# Altium PCB RK_NVR_DEMO1_RK3588_LP4XD200P232SD8_V21_20211228_final_lint.PcbDoc (part 7 of 29)
Units mm, origin at the board's own origin, x right, y up, seen from the top; angles counter-clockwise.
Board outline 170.08 x 169.98 mm, 8 copper layers (TOP, L2-GND1, L3-POWER1, L4-S1, L5-GND2, L6-S2, L7-GND3, BOTTOM), stack 2.118 mm thick; 1650 components, 1119 nets, 6165 pads, 15417 vias.
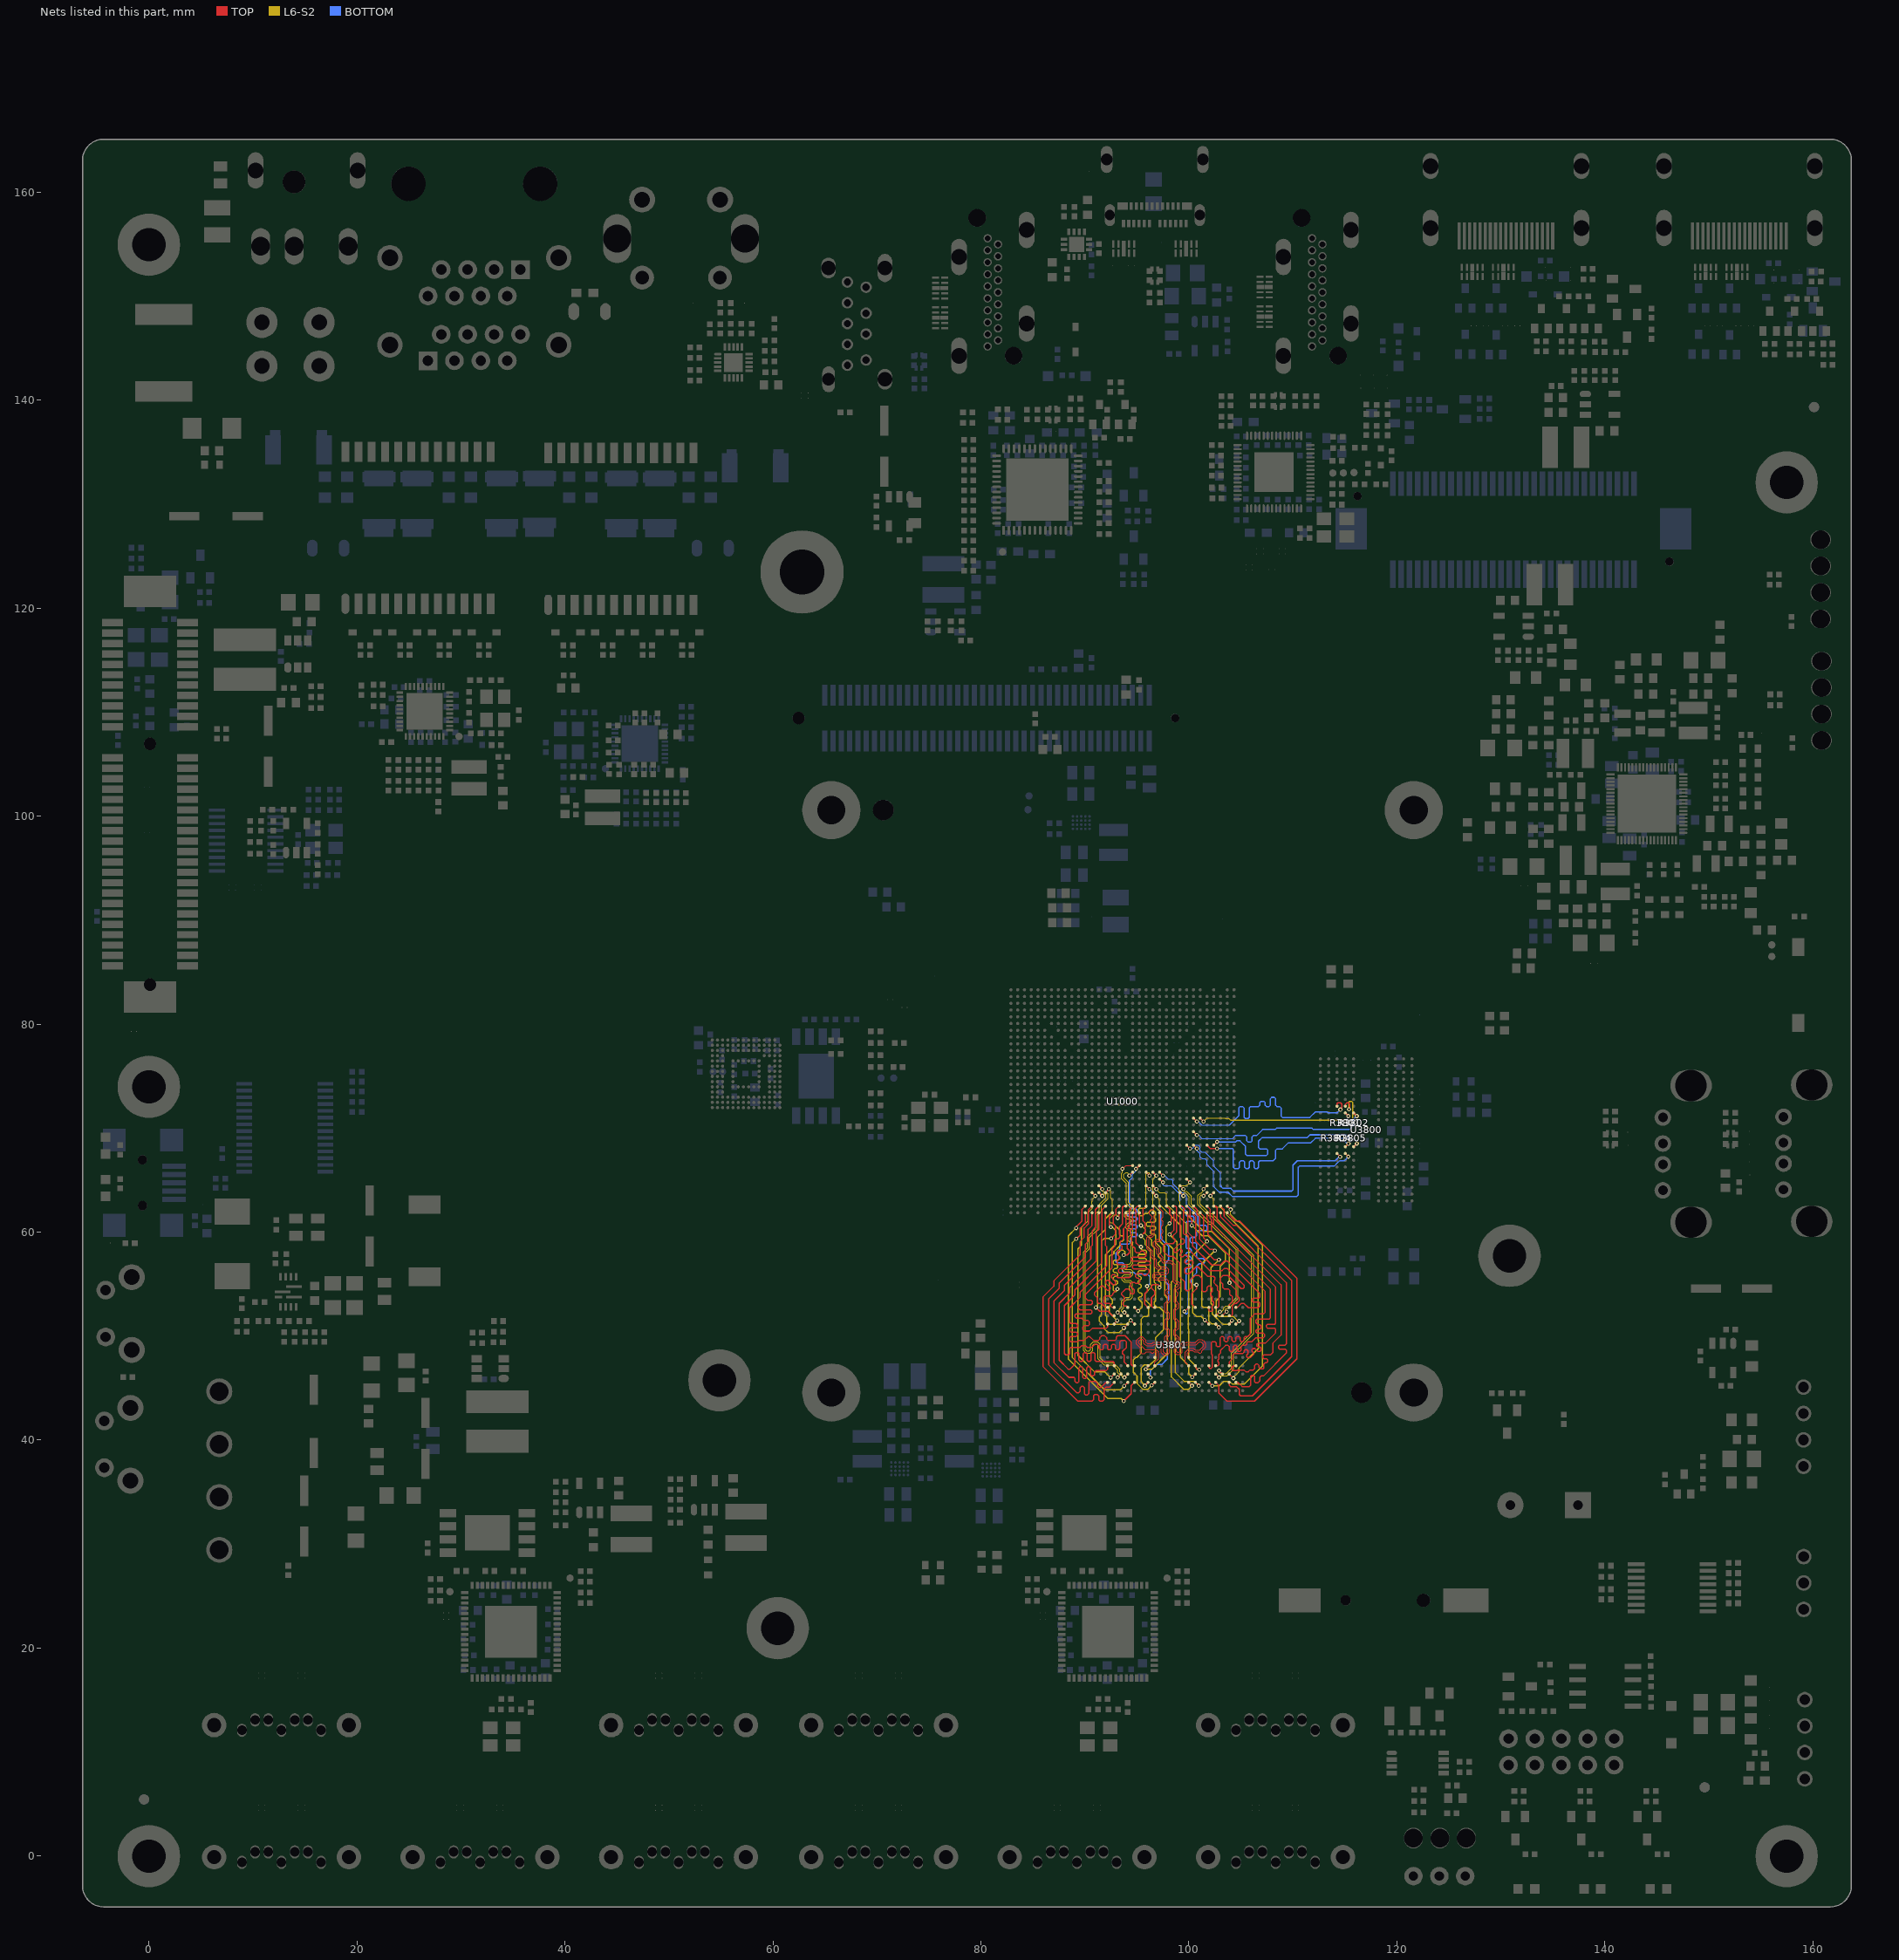
[diagram p13: the nets of this part, all layers, seen from the top]

## Via types
v1: diameter 0.4, hole 0.2, TOP to BOTTOM, 1688 vias
v2: diameter 0.4/0.4 (per signal layer), hole 0.2, TOP to L2-GND1, 1605 vias
v3: diameter 0/0/0/0/0/0/0/0.4 (per signal layer), hole 0.2, TOP to BOTTOM, 1253 vias
v4: diameter 0.4/0/0/0/0/0/0/0 (per signal layer), hole 0.2, TOP to BOTTOM, 1253 vias
v5: diameter 0.5, hole 0.3, TOP to BOTTOM, 857 vias
v6: diameter 0.4/0.4/0.4/0.4/0.4 (per signal layer), hole 0.2, L4-S1 to BOTTOM, 836 vias
v7: diameter 0/0/0/0/0/0/0/0.5 (per signal layer), hole 0.3, TOP to BOTTOM, 772 vias
v8: diameter 0.5/0/0/0/0/0/0/0 (per signal layer), hole 0.3, TOP to BOTTOM, 772 vias
v9: diameter 0.5/0.5 (per signal layer), hole 0.3, TOP to L2-GND1, 766 vias
v10: diameter 0.4/0.4 (per signal layer), hole 0.2, L7-GND3 to BOTTOM, 611 vias
v11: diameter 0.4/0.4/0.4/0.4 (per signal layer), hole 0.2, L5-GND2 to BOTTOM, 579 vias
v12: diameter 0.4 (per signal layer), hole 0.2, L6-S2 to L6-S2, 535 vias
v13: diameter 0.5/0.5/0.5/0.5/0.5 (per signal layer), hole 0.3, L4-S1 to BOTTOM, 457 vias
v14: diameter 0.5/0.5/0.5/0.5 (per signal layer), hole 0.3, L5-GND2 to BOTTOM, 455 vias
v15: diameter 0.4 (per signal layer), hole 0.2, L5-GND2 to L5-GND2, 418 vias
v16: diameter 0.5/0.5/0.5 (per signal layer), hole 0.3, TOP to L3-POWER1, 306 vias
v17: diameter 0.4 (per signal layer), hole 0.2, L4-S1 to L4-S1, 300 vias
v18: diameter 0.4/0.4/0.4 (per signal layer), hole 0.2, TOP to L3-POWER1, 287 vias
v19: diameter 0.5 (per signal layer), hole 0.3, L3-POWER1 to L3-POWER1, 242 vias
v20: diameter 0.5 (per signal layer), hole 0.3, L4-S1 to L4-S1, 240 vias
v21: diameter 0.5/0.5 (per signal layer), hole 0.3, L7-GND3 to BOTTOM, 192 vias
v22: diameter 0.5 (per signal layer), hole 0.3, L6-S2 to L6-S2, 166 vias
v23: diameter 0.4/0.4/0.4/0.4/0.4 (per signal layer), hole 0.2, TOP to L5-GND2, 134 vias
v24: diameter 0.5 (per signal layer), hole 0.3, L5-GND2 to L5-GND2, 114 vias
v25: diameter 0.5/0.5 (per signal layer), hole 0.3, L3-POWER1 to L4-S1, 111 vias
v26: diameter 0.4 (per signal layer), hole 0.2, L3-POWER1 to L3-POWER1, 93 vias
v27: diameter 0.4/0.4 (per signal layer), hole 0.2, L4-S1 to L5-GND2, 59 vias
v28: diameter 0.4/0.4/0/0/0.4/0/0.4/0.4 (per signal layer), hole 0.2, TOP to BOTTOM, 56 vias
v29: diameter 0.4/0/0/0.4/0/0/0/0.4 (per signal layer), hole 0.2, TOP to BOTTOM, 51 vias
v30: diameter 0.5/0.5 (per signal layer), hole 0.3, L4-S1 to L5-GND2, 46 vias
v31: diameter 0.4/0/0/0/0/0.4/0/0.4 (per signal layer), hole 0.2, TOP to BOTTOM, 42 vias
v32: diameter 0.5/0.5/0.5/0.5/0.5 (per signal layer), hole 0.3, TOP to L5-GND2, 32 vias
v33: diameter 0.4/0.4 (per signal layer), hole 0.2, L3-POWER1 to L4-S1, 29 vias
v34: diameter 0.4/0/0.4/0/0/0/0/0.4 (per signal layer), hole 0.2, TOP to BOTTOM, 29 vias
v35: diameter 0.4/0.4/0/0/0.4/0.4/0.4/0.4 (per signal layer), hole 0.2, TOP to BOTTOM, 21 vias
v36: diameter 0.5/0.5/0.5/0/0.5/0.5/0.5/0.5 (per signal layer), hole 0.3, TOP to BOTTOM, 4 vias
v37: diameter 0.5/0.5/0/0.5/0.5/0.5/0.5/0.5 (per signal layer), hole 0.3, TOP to BOTTOM, 3 vias
v38: diameter 0.4/0/0.4/0.4/0/0/0/0.4 (per signal layer), hole 0.2, TOP to BOTTOM, 2 vias
v39: diameter 0.4/0.4/0.4/0/0.4/0/0.4/0.4 (per signal layer), hole 0.2, TOP to BOTTOM, 1 vias

## Nets (pads, with @x,y where several pads share a name; then routed paths per layer and width w, separated by ;. In a path a pad name is that pad's centre, name@x,y a point inside that pad or via, vN(x,y) a via of type N, cw(c..) or ccw(c..) an arc to the next point about the centre after c; other vN are vias at no path point) (continued)
DDR_CH0_LP4/4X_CKE0/LP5_CS0_B: R3804.1 U1000.L5 | length 18.5
  TOP w0.127: U1000.L5@101.741,68.356 102.066,68.031 v4(102.716,68.031)
  BOTTOM w0.127: v4(102.716,68.031) 104.195,68.031 104.281,67.945 104.281,66.234 104.411,66.104 104.736,66.104 104.863,66.231 104.863,66.739 104.99,66.866 105.244,66.866 105.371,66.739 105.371,66.231 105.498,66.104 105.681,66.104 105.808,66.231 105.808,66.739 105.935,66.866 106.136,66.866 106.263,66.739 106.263,66.231 106.39,66.104 106.57,66.104 106.697,66.231 106.697,66.739 106.824,66.866 108.094,66.866 108.348,67.12 108.348,67.882 108.475,68.009 108.983,68.009 109.567,68.593 111.726,68.593 112.158,69.025 R3804.1@113.94,69.025
  other v3: 102.716,68.031
DDR_CH0_LP4/4X_CKE0_A: R3801.2 U3800.J4 | length 0.9
  TOP w0.119: U3800.J4@115.041,71.457 v4(115.336,71.161)
  BOTTOM w0.127: R3801.2@115.079,70.774 115.219,70.914 115.219,70.939 115.336,71.055 v4(115.336,71.161)
  other v3: 115.336,71.161
DDR_CH0_LP4/4X_CKE0_B: R3804.2 U3800.P4 | length 1.5
  TOP w0.119: U3800.P4@115.041,68.206 v1(115.342,68.508)
  BOTTOM w0.127: R3804.2@114.44,69.025 114.698,69.025 115.215,68.508 v1(115.342,68.508)
DDR_CH0_LP4/4X_CKE1/LP5_CS1_A: R3802.1 U1000.N7 | length 17.3
  TOP w0.127: U1000.N7@100.44,69.656 v4(100.765,69.331)
  BOTTOM w0.089: v4(100.765,69.331) 100.929,69.331 101.255,69.006 104.201,69.006 104.474,69.279
  BOTTOM w0.127: 104.474,69.279 105.448,69.279 105.575,69.152 105.575,68.771 105.702,68.644 105.956,68.644 106.083,68.771 106.083,69.152 106.21,69.279 106.506,69.279 107.09,69.863 108.297,69.863 108.449,70.015 111.802,70.015 111.955,69.863 115.431,69.863 R3802.1@115.841,70.273
  other v3: 100.765,69.331
DDR_CH0_LP4/4X_CKE1/LP5_CS1_B: R3805.1 U1000.L4 | length 17.6
  TOP w0.127: U1000.L4@102.391,68.356 v4(102.716,68.681)
  BOTTOM w0.127: v4(102.716,68.681) 104.511,68.681 104.601,68.771 104.919,68.771 105.427,68.263 105.427,67.501 105.554,67.374 107.459,67.374 107.586,67.501 107.586,67.882 107.459,68.009 106.824,68.009 106.697,68.136 106.697,68.751 107.047,69.101 111.396,69.101 111.65,69.355 115.185,69.355 115.312,69.228 115.312,69.05 R3805.1@115.337,69.025
  other v3: 102.716,68.681
DDR_CH0_LP4/4X_CKE1_A: R3802.2 U3800.J5 | length 0.9
  TOP w0.119: U3800.J5@115.841,71.457 v4(116.139,71.158)
  BOTTOM w0.127: R3802.2@115.841,70.774 115.841,70.86 v4(116.139,71.158)
  other v3: 116.139,71.158
DDR_CH0_LP4/4X_CKE1_B: R3805.2 U3800.P5 | length 1.1
  TOP w0.119: U3800.P5@115.841,68.206 v4(116.148,68.514)
  BOTTOM w0.127: R3805.2@115.837,69.025 115.862,69.025 116.148,68.738 v4(116.148,68.514)
  other v3: 116.148,68.514
DDR_CH0_LP4/4X_CS0_A: U1000.R6 U3800.H4 | length 19
  TOP w0.127: U1000.R6@101.091,70.956 v4(101.416,70.631) ; U3800.H4@115.041,72.107 115.041,72.289 115.179,72.427 115.359,72.427 115.46,72.327 115.46,71.876 v4(115.393,71.809)
  L6-S2 w0.089: v4(101.416,70.631) 101.74,70.956 102.581,70.956 103.231,70.955 103.5,70.956 103.515,70.941 103.827,70.941
  L6-S2 w0.127: 103.827,70.941 103.99,70.777 115.64,70.777 115.767,70.904 115.767,72.454 115.64,72.581 115.46,72.581 115.366,72.487 115.366,71.837 v4(115.393,71.809)
  other v3: 101.416,70.631 115.393,71.809
  other v12: 101.416,70.631 115.393,71.809
DDR_CH0_LP4/4X_CS0_B: U1000.L7 U3800.R4 | length 21.9
  TOP w0.127: U1000.L7@100.44,68.356 v4(100.765,68.031) ; U3800.R4@115.041,67.556 v4(115.34,67.257)
  BOTTOM w0.089: v4(100.765,68.031) 100.765,67.84 101.091,67.514 101.091,67.246 101.281,67.056 101.549,67.056 101.74,66.865 101.74,66.488 102.39,65.838 102.39,64.365 102.912,63.843
  BOTTOM w0.127: 102.912,63.843 103.75,63.843 104.157,63.437 110.38,63.437 110.507,63.564 110.507,66.231 110.618,66.342 113.969,66.342 114.273,66.646 114.273,66.647 114.474,66.849 114.935,66.849 115.34,67.254 v4(115.34,67.257)
  other v3: 115.34,67.257 100.765,68.031
DDR_CH0_LP4/4X_CS1_A: U1000.R7 U3800.H3 | length 22.4
  TOP w0.127: U1000.R7@100.44,70.956 v4(100.765,70.631) ; U3800.H3@114.241,72.107 114.241,72.352 114.33,72.442 114.571,72.442 114.698,72.315 114.698,71.914 v4(114.565,71.782)
  BOTTOM w0.089: v4(100.765,70.631) 100.899,70.631 101.224,70.306 103.914,70.306 103.941,70.333
  BOTTOM w0.127: 103.941,70.333 104.792,71.184 104.792,71.946 104.919,72.073 105.173,72.073 105.3,71.946 105.3,71.057 105.427,70.93 105.681,70.93 105.808,71.057 105.808,71.946 105.935,72.073 106.697,72.073 106.824,72.2 106.824,72.454 106.951,72.581 107.205,72.581 107.332,72.454 107.332,72.2 107.459,72.073 107.713,72.073 107.84,72.2 107.84,72.835 107.967,72.962 108.221,72.962 108.348,72.835 108.348,72.2 108.475,72.073 108.729,72.073 108.856,71.946 108.856,71.158 108.983,71.031 111.624,71.031 112.158,71.565 113.301,71.565 113.377,71.489 114.273,71.489 v4(114.565,71.782)
  other v3: 100.765,70.631 114.565,71.782
DDR_CH0_LP4/4X_CS1_B: U1000.L8 U3800.R3 | length 21.3
  TOP w0.127: U1000.L8@99.791,68.356 v4(100.115,68.031) ; U3800.R3@114.241,67.556 v4(114.55,67.247)
  BOTTOM w0.089: v4(100.115,68.031) 100.306,68.031 100.631,68.356 100.9,68.356 101.09,68.165 101.09,67.837 101.221,67.706 101.549,67.706 102.39,66.865 102.39,66.346 103.04,65.696 103.04,64.426
  BOTTOM w0.127: 103.04,64.426 103.268,64.199 104.03,64.199 104.284,63.945 109.872,63.945 109.999,64.072 109.999,66.441 110.423,66.866 114.063,66.866 114.444,67.247 v4(114.55,67.247)
  other v3: 114.55,67.247 100.115,68.031
DDR_CH1_A0_C: U1000.G12 U3801.H2 | length 19.6
  TOP w0.127: U1000.G12@97.191,65.756 v4(97.515,65.431) ; U3801.H2@100.621,52.756 100.296,53.081 100.296,54.115 100.728,54.547 v1(100.728,54.928)
  BOTTOM w0.089: v4(97.515,65.431) 97.692,65.431 98.018,65.106 98.3,65.106 98.49,64.915 98.49,64.647 99.331,63.806 99.599,63.806 99.79,63.615 99.79,62.597
  BOTTOM w0.127: 99.79,62.597 100.855,61.532 100.855,60.77 100.982,60.643 101.617,60.643 101.744,60.516 101.744,60.262 101.617,60.135 100.855,60.135 100.728,60.008 100.728,59.627 100.601,59.5 100.22,59.5 100.093,59.373 100.093,59.119 100.22,58.992 100.601,58.992 100.728,58.865 100.728,57.595 100.855,57.468 101.363,57.468 101.49,57.341 101.49,57.087 101.363,56.96 100.982,56.96 100.728,56.706 100.728,56.071 100.22,55.563 100.22,55.08 100.347,54.953 100.702,54.953 v1(100.728,54.928)
  other v3: 97.515,65.431
DDR_CH1_A0_D: U1000.H15 U3801.R2 | length 23.1
  TOP w0.127: v4(94.916,66.081) U1000.H15@95.241,66.406 ; v1(95.978,54.801) 95.978,54.75 96.003,54.725 96.003,54.318 95.749,54.064 95.749,53.078 U3801.R2@96.071,52.756
  BOTTOM w0.089: 94.276,64.961 94.59,65.275 94.59,65.58 94.916,65.905 v4(94.916,66.081)
  BOTTOM w0.127: 94.276,64.961 94.276,62.443 94.489,62.23 94.901,62.23 95.013,62.118 95.013,61.96 94.901,61.849 94.235,61.849 94.124,61.737 94.124,61.579 94.235,61.468 94.901,61.468 95.013,61.356 95.013,61.198 94.901,61.087 94.489,61.087 94.378,60.975 94.378,60.817 94.489,60.706 94.901,60.706 95.013,60.594 95.013,60.436 94.901,60.325 94.489,60.325 94.378,60.213 94.378,60.055 94.489,59.944 94.901,59.944 95.013,59.832 95.013,59.674 94.901,59.563 94.489,59.563 94.378,59.451 94.378,58.992 94.251,58.865 93.489,58.865 93.362,58.738 93.362,58.357 92.981,57.976 92.981,57.163 93.108,57.036 93.641,57.036 93.768,56.909 93.768,56.63 93.604,56.465 93.604,56.249 93.731,56.122 94.708,56.122 94.886,55.944 96.029,55.944 96.232,55.741 96.232,55.029 96.003,54.801 v1(95.978,54.801)
  other v3: 94.916,66.081
DDR_CH1_A1_C: U1000.F12 U3801.J2 | length 19.1
  TOP w0.127: U1000.F12@97.191,65.106 v4(97.515,64.781) ; v1(99.565,52.375) 99.59,52.375 U3801.J2@99.971,52.756
  BOTTOM w0.089: v4(97.515,64.781) 97.515,64.544 97.604,64.456 98.3,64.456 99.14,63.615 99.14,62.612 99.343,62.408
  BOTTOM w0.127: 99.343,62.408 99.712,62.04 99.712,61.659 99.839,61.532 100.369,61.532 100.496,61.405 100.496,61.151 100.369,61.024 99.839,61.024 99.712,60.897 99.712,58.536 99.823,58.425 100.108,58.425 100.22,58.313 100.22,58.155 100.108,58.044 99.823,58.044 99.712,57.932 99.712,57.774 99.823,57.663 100.108,57.663 100.22,57.551 100.22,57.393 100.108,57.282 99.823,57.282 99.712,57.17 99.712,57.012 99.823,56.901 100.108,56.901 100.22,56.789 100.22,56.631 100.108,56.52 99.823,56.52 99.712,56.408 99.712,54.547 99.95,54.309 99.95,52.277 99.823,52.15 99.692,52.15 99.565,52.277 v1(99.565,52.375)
  other v3: 97.515,64.781
DDR_CH1_A1_D: U1000.G14 U3801.P2 | length 22.1
  TOP w0.127: U1000.G14@95.891,65.756 v4(96.215,65.431) ; U3801.P2@96.721,52.756 96.719,52.754 96.524,52.754 96.397,52.881 96.397,53.696 96.715,54.013 96.715,54.293 96.389,54.619 96.389,54.806 96.541,54.958 97.019,54.958 97.172,54.806 v31(97.172,54.674)
  L6-S2 w0.089: 95.891,62.559 95.891,62.965 ; 95.891,63.615 95.891,65.585 96.029,65.723 96.156,65.723 96.215,65.663 v4(96.215,65.431) ; 95.891,62.966 95.891,63.615
  L6-S2 w0.127: 95.891,62.559 95.902,62.548 95.902,62.421 95.775,62.294 95.267,62.294 95.14,62.167 95.14,61.685 95.267,61.558 95.547,61.558 95.775,61.786 96.029,61.786 96.37,62.127 96.55,62.127 96.791,61.886 96.791,61.659 96.69,61.558 96.69,61.378 96.791,61.278 96.791,61.078 96.664,60.951 96.013,60.951 95.902,60.839 95.902,60.681 96.013,60.57 96.679,60.57 96.791,60.458 96.791,60.3 96.679,60.189 96.394,60.189 96.283,60.077 96.283,59.919 96.394,59.808 96.679,59.808 96.791,59.696 96.791,58.99 97.299,58.482 97.299,58.028 97.187,57.917 97.156,57.917 97.045,57.805 97.045,57.647 97.156,57.536 97.187,57.536 97.299,57.424 97.299,57.266 97.187,57.155 97.156,57.155 97.045,57.043 97.045,56.885 97.156,56.774 97.187,56.774 97.299,56.662 97.299,56.504 97.187,56.393 97.156,56.393 97.045,56.281 97.045,56.123 97.156,56.012 97.187,56.012 97.299,55.9 97.299,55.742 97.187,55.631 97.156,55.631 97.045,55.519 97.045,55.361 97.156,55.25 97.187,55.25 97.299,55.138 97.299,54.801 v31(97.172,54.674)
  other v3: 96.215,65.431
  other v12: 96.215,65.431
DDR_CH1_A2_C: U1000.E13 U3801.H9 | length 20.6
  TOP w0.127: U1000.E13@96.541,64.456 v4(96.865,64.131) ; U3801.H9@100.621,47.156 100.69,47.087 100.69,46.907 100.817,46.78 v31(100.997,46.78)
  L6-S2 w0.089: v4(96.865,64.131) 97.19,63.806 97.691,63.806 97.84,63.657 97.84,62.718 ; 97.841,62.718 97.841,62.697 98.031,62.506 98.052,62.506 98.239,62.32
  L6-S2 w0.127: 98.239,62.32 99.712,60.847 99.712,59.728 99.966,59.474 99.966,51.85 99.931,51.816 99.931,50.994 99.949,50.977 99.949,50.693 99.966,50.676 99.966,47.811 100.69,47.087 100.69,46.907 100.817,46.78 v31(100.997,46.78)
  other v3: 96.865,64.131
  other v12: 96.865,64.131
DDR_CH1_A2_D: U1000.G13 U3801.R9 | length 21.4
  TOP w0.127: v31(95.847,46.822) 96.071,47.046 U3801.R9@96.071,47.156 ; U1000.G13@96.541,65.756 v4(96.865,65.431)
  L6-S2 w0.089: 96.854,62.357 96.541,62.671 96.541,65.106 v4(96.865,65.431)
  L6-S2 w0.127: v31(95.847,46.822) 96.432,46.822 97.934,48.324 97.934,53.658 97.68,53.912 97.68,58.64 97.172,59.148 97.172,62.04 96.854,62.357
  other v3: 96.865,65.431
  other v12: 96.865,65.431
DDR_CH1_A3_C: U1000.D13 U3801.H10 | length 19.8
  TOP w0.127: U1000.D13@96.541,63.806 v4(96.865,63.481) ; v31(100.325,46.06) U3801.H10@100.621,46.356
  L6-S2 w0.089: v4(96.865,63.481) 96.866,63.454 97.19,63.132 97.19,62.656 97.527,62.319
  L6-S2 w0.127: 97.527,62.319 99.229,60.617 99.229,54.318 99.204,54.293 99.204,47.943 99.991,47.155 99.991,46.394 v31(100.325,46.06)
  other v3: 96.865,63.481
  other v12: 96.865,63.481
DDR_CH1_A3_D: U1000.E14 U3801.R10 | length 21.1
  TOP w0.127: U1000.E14@95.891,64.456 v4(96.215,64.131) ; U3801.R10@96.071,46.356 96.304,46.123 v1(96.304,46.009)
  BOTTOM w0.089: v4(96.215,64.131) 96.54,63.806 96.54,63.615 96.54,63.346 ; 96.54,63.346 96.54,62.671 96.702,62.51
  BOTTOM w0.127: v1(96.304,46.009) 96.304,46.669 96.918,47.282 97.4,47.282 97.934,47.816 97.934,53.404 98.061,53.531 98.061,54.902 97.756,55.207 97.756,57.036 98.061,57.341 98.061,58.611 97.299,59.373 97.299,61.913 96.702,62.51
  other v3: 96.215,64.131
DDR_CH1_A4_C: U1000.A10 U3801.H11 | length 19.1
  TOP w0.127: v4(98.133,59.776) 98.54,60.182 98.54,61.807 U1000.A10@98.491,61.856 ; U3801.H11@100.621,45.556 v31(100.946,45.231)
  L6-S2 w0.127: v4(98.133,59.776) 98.848,59.061 98.848,55.055 98.696,54.902 98.696,46.495 99.534,45.657 100.52,45.657 v31(100.946,45.231)
  other v3: 98.133,59.776
  other v12: 98.133,59.776
DDR_CH1_A4_D: U1000.A15 U3801.R11 | length 19.7
  TOP w0.127: U1000.A15@95.241,61.856 95.241,60.796 v4(95.394,60.643) ; v31(95.772,45.231) 95.772,45.256 U3801.R11@96.071,45.556
  L6-S2 w0.127: v4(95.394,60.643) 95.419,60.643 95.775,60.287 95.775,59.881 96.41,59.246 96.41,58.738 96.664,58.484 96.664,55.182 96.791,55.055 96.791,53.404 96.664,53.277 96.664,53.023 96.918,52.769 97.172,52.769 97.553,52.388 97.553,50.61 96.791,49.848 96.791,47.765 96.257,47.232 95.699,47.232 95.394,46.927 95.394,45.634 95.772,45.256 v31(95.772,45.231)
  other v3: 95.394,60.643
  other v12: 95.394,60.643
DDR_CH1_A5_C: U1000.B11 U3801.J11 | length 20.2
  TOP w0.127: U1000.B11@97.841,62.506 98.159,62.188 98.159,61.731 98.286,61.604 98.286,61.046 98.133,60.893 v4(98.133,60.842) ; U3801.J11@99.971,45.556 v31(100.296,45.231)
  L6-S2 w0.127: v4(98.133,60.842) 97.789,60.499 97.789,59.069 98.467,58.392 98.467,55.36 98.315,55.207 98.315,46.076 99.504,44.887 99.953,44.887 v31(100.296,45.231)
  other v3: 98.133,60.842
  other v12: 98.133,60.842
DDR_CH1_A5_D: U1000.B14 U3801.P11 | length 21.6
  TOP w0.127: v4(95.394,59.627) 95.796,60.029 95.796,60.875 95.568,61.104 95.568,62.183 U1000.B14@95.891,62.506 ; v31(96.426,45.26) U3801.P11@96.721,45.556
  L6-S2 w0.127: v4(95.394,59.627) 95.775,59.246 95.775,58.834 96.283,58.326 96.283,55.004 96.396,54.891 96.396,54.711 95.8,54.115 95.8,53.48 96.244,53.036 96.244,52.857 96.13,52.743 96.13,52.007 96.003,51.88 95.648,51.88 95.394,51.626 95.394,48.349 94.987,47.943 94.886,47.943 94.657,47.714 94.657,46.52 95.013,46.165 95.013,45.454 95.597,44.869 96.035,44.869 v31(96.426,45.26)
  other v3: 95.394,59.627
  other v12: 95.394,59.627
DDR_CH1_CLKN_C: U1000.A12 U3801.J9 | length 23.8
  TOP w0.102: U1000.A12@97.191,61.856 97.172,61.837 97.172,59.346 97.148,59.322 96.896,59.322 96.597,59.024 96.597,58.645 96.918,58.324 96.918,57.908 97.304,57.522 97.304,57.282 97.525,57.061 98.204,57.061 98.467,56.798 98.467,55.259 98.688,55.038 98.896,55.038 98.992,54.942 98.992,54.816 98.903,54.727 98.797,54.727 98.589,54.519 98.589,53.262 98.814,53.036 98.814,52.824 98.54,52.549 98.54,51.622 98.816,51.346 98.816,50.853 98.54,50.577 98.54,50.067 98.848,49.759 98.848,49.525 98.589,49.267 98.589,48.467 98.81,48.247 99.122,48.247 99.343,48.468 99.343,49.009 99.496,49.161 100.685,49.161 100.997,49.473 101.14,49.473 101.42,49.193 101.42,49.05 101.05,48.679 100.601,48.679 100.448,48.832 100.034,48.832 99.636,48.433 99.636,47.492 U3801.J9@99.971,47.156
DDR_CH1_CLKN_D: U1000.A13 U3801.P9 | length 26.5
  TOP w0.102: U1000.A13@96.541,61.856 96.664,61.733 96.664,59.724 96.443,59.504 96.279,59.504 96.153,59.378 96.153,58.513 96.486,58.179 96.486,57.764 96.898,57.353 96.898,56.757 97,56.655 97.815,56.655 98.035,56.434 98.035,56.123 97.821,55.908 96.824,55.908 96.734,55.819 96.734,55.693 96.824,55.603 97.738,55.603 98.061,55.281 98.061,55.09 98.183,54.968 98.183,54.508 97.936,54.261 97.936,54.118 98.183,53.871 98.183,53.365 97.877,53.059 97.877,52.454 98.133,52.197 98.133,51.715 97.877,51.459 97.877,50.853 98.133,50.597 98.133,50.09 97.883,49.839 97.883,49.674 98.133,49.424 98.133,48.395 97.913,48.174 97.601,48.174 97.35,48.425 97.35,49.111 97.248,49.213 96.664,49.213 96.537,49.086 95.902,49.086 95.682,49.306 95.682,49.501 95.493,49.69 95.349,49.69 95.163,49.504 95.163,49.342 95.8,48.705 96.848,48.705 97.069,48.484 97.069,47.839 96.721,47.492 U3801.P9@96.721,47.156
DDR_CH1_CLKP_C: U1000.B12 U3801.J8 | length 24.5
  TOP w0.102: U1000.B12@97.191,62.506 97.191,62.293 97.524,61.96 97.524,61.469 97.375,61.32 97.375,61.168 97.449,61.093 ; 97.449,61.093 97.524,61.019 97.524,60.715 97.375,60.566 97.375,60.262 97.519,60.118 97.519,59.974 97.375,59.83 97.375,59.627 97.486,59.516 97.486,59.372 97.232,59.119 96.98,59.119 96.8,58.939 96.8,58.729 97.121,58.409 97.121,57.993 97.508,57.606 97.508,57.366 97.609,57.265 98.289,57.265 98.67,56.883 98.67,55.343 98.772,55.241 98.981,55.241 99.196,55.027 99.196,54.732 98.988,54.524 98.882,54.524 98.793,54.434 98.793,54.291 98.95,54.133 98.95,53.94 98.793,53.783 98.793,53.346 99.018,53.121 99.018,52.74 98.743,52.465 98.743,51.706 99.019,51.43 99.019,50.769 98.743,50.492 98.743,50.152 99.051,49.843 99.051,49.441 98.793,49.182 98.793,48.551 98.894,48.45 99.037,48.45 99.14,48.552 99.14,49.093 99.412,49.365 99.762,49.365 99.81,49.412 100.122,49.412 100.169,49.365 100.601,49.365 100.912,49.676 101.225,49.676 101.335,49.566 101.424,49.566 101.525,49.464 101.525,49.376 101.623,49.278 101.623,48.965 101.236,48.578 101.236,48.451 101.13,48.345 100.986,48.345 100.855,48.476 100.516,48.476 100.364,48.629 100.118,48.629 99.839,48.349 99.839,48.058 99.94,47.956 U3801.J8@99.971,47.956